# Altium PCB EL6905.PcbDoc (part 1 of 2) (continued)
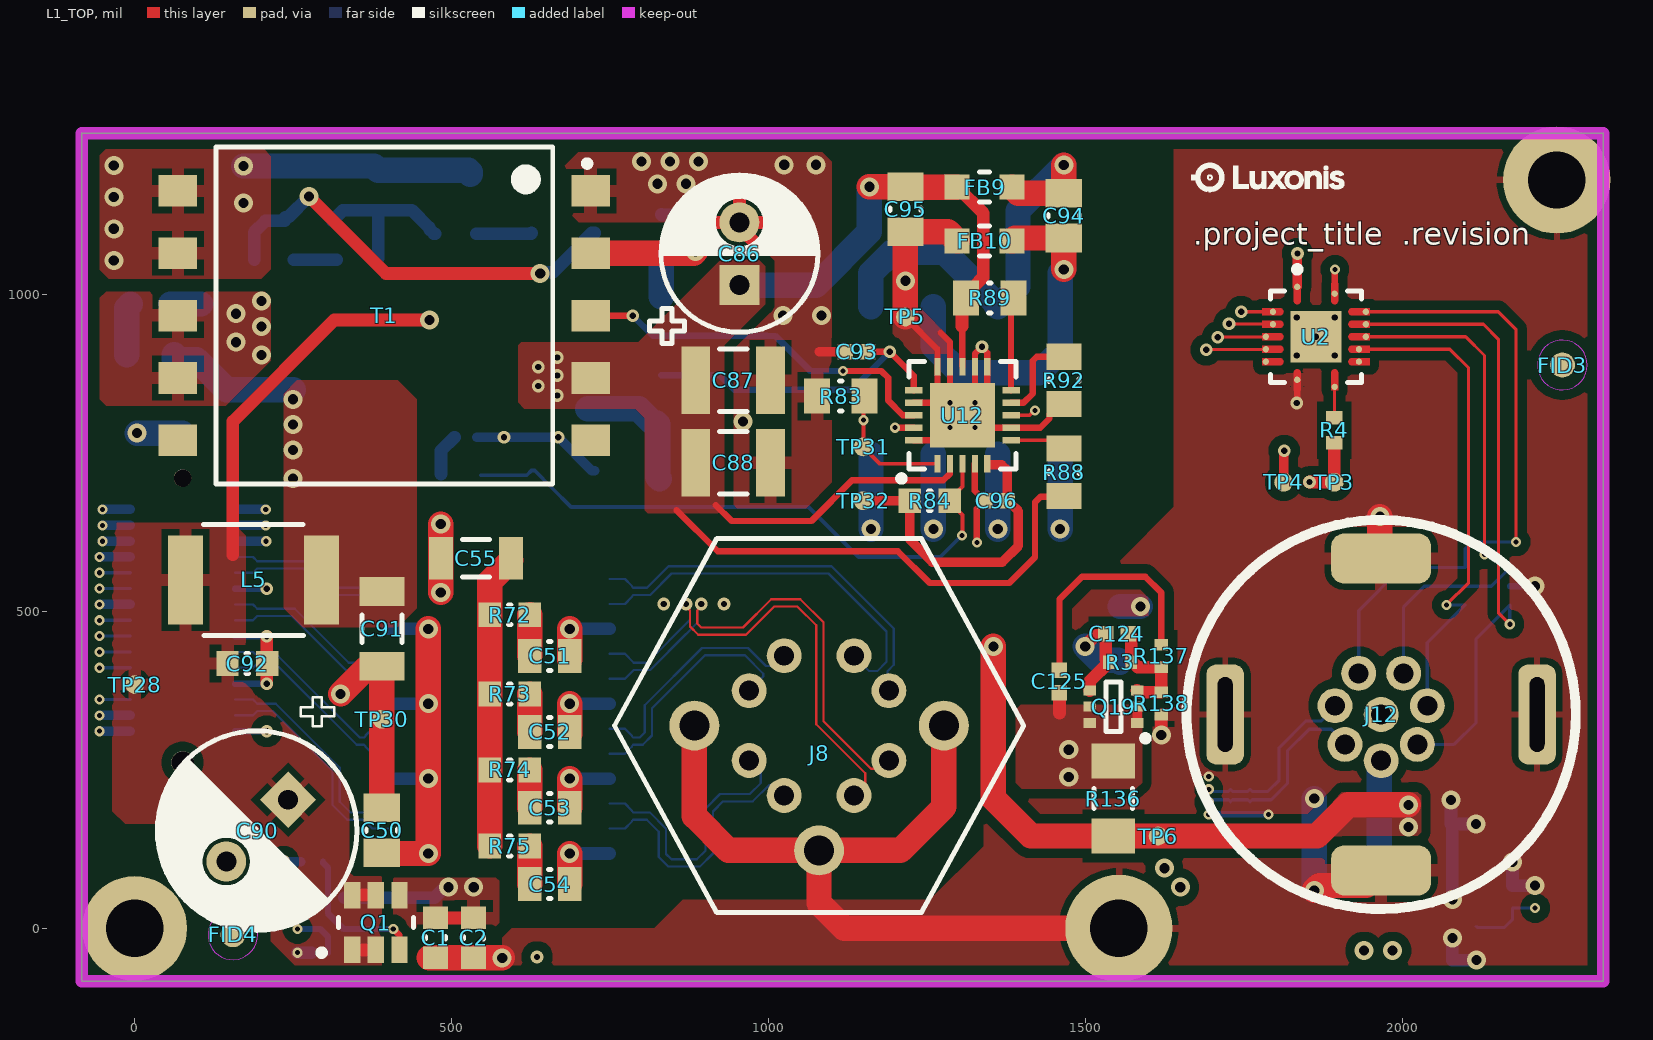
[diagram p0: L1_TOP view]
## Classes and differential pairs
net class PWR: 1V8 3V3 5V_PoE VBUS VBUSIN VDD_5V
pad class full: Q1-1 Q1-2 Q1-3 Q1-4 Q1-5 Q1-6 Q19-1 Q19-2 Q19-3 Q19-4 Q19-5 Q19-6
differential pair class 85ohm: USB_D
net class USB2: USB_D_N USB_D_P
component class U_M8_AUX_CONN: D1 D15 J12
component class U_BTB_CONN: J1 J? TP3 TP4
component class U_AUXILIARY: R4 U2
component class U_M12_ETH_CONN: C50 C51 C52 C53 C54 C55 D5 D6 J7 J8 R72 R73 R74 R75
component class U_POWER_CONTROL: C1 C2 C119 C120 C121 C124 C125 D20 Q1 Q19 Q? R1 R2 R3 R106 R136 R137 R138 TP1 TP2 TP6 U1 U23 U?
component class U_POE_SI3404: C84 C85 C86 C87 C88 C89 C90 C91 C92 C93 C94 C95 C96 C97 C98 C99 D9 D10 D11 FB9 FB10 L5 R80 R81 R82 R83 R84 R85 R86 R87 R88 R89 R90 R91 R92 T1 TP5 TP27 TP28 TP29 TP30 TP31 TP32 TP33 U12 U13 U14
polygon class PoE_Poly: VNEG_IN_L01_P432 VNEG_L01_P434 VNEG_L04_P456 VPOS_IN_L01_P431
polygon class DirectConnectPoly: 5V_POE_L06_P007 NETC1_2_L06_P019 NETC1_2_L06_P024 NETC91_2_L01_P002 NETC91_2_L06_P005 VBUS_L01_P017 VBUS_L06_P016 VBUSIN_L06_P020 VDD_5V_L06_P021 VNEG_L01_P014 VPOS_L01_P011 VSEC_L06_P006
net class PoE: CT1 CT2 NetC51_1 NetC52_1 NetC53_1 NetC54_1 SP1 SP2 SWO VNEG VNEG_IN VPOS VPOS_IN
component class TopLevel: FID1 FID2 FID3 FID4
differential pair class 100ohm: BRIDGE_REFCLK BRIDGE_REFCLK1 CLK MD1 MD1_1 MD2 MD2_1 MD3 MD3_1 MD4 MD4_1 MIPI_RX2_C MIPI_RX2_D0 MIPI_RX2_D1 MIPI_RX3_C MIPI_RX3_D0 MIPI_RX3_D1 MIPI_RX4_C MIPI_RX4_D0 MIPI_RX4_D1 MIPI_RX5_D0 MIPI_RX5_D1 SDS_CLK SDS_IO_CLKI SDS_IO_CLKI1 SDS_RXD SDS_RXD1 SDS_TXD TX1 TX2 TX3 TX4
net class ETH: MD1_N MD1_P MD2_N MD2_P MD3_N MD3_P MD4_N MD4_P
differential pair USB_D: +USB_D_P -USB_D_N
differential pair TX4: +TX4_P -TX4_N
differential pair TX3: +TX3_P -TX3_N
differential pair TX2: +TX2_P -TX2_N
differential pair TX1: +TX1_P -TX1_N
differential pair MD4: +MD4_P -MD4_N
differential pair MD3: +MD3_P -MD3_N
differential pair MD2: +MD2_P -MD2_N
differential pair MD1: +MD1_P -MD1_N

## Components (designator, comment, footprint, x,y, rotation, side; value= is the part's Value field where it differs from the comment)
C1 "GRM188R61A226ME15D" CAPC0603(1608)100_N 475,-15 r90 top value=22µF
C2 "GRM188R61A226ME15D" CAPC0603(1608)100_N 535,-15 r90 top value=22µF
C50 "CL21B104KCFNNNE" CAPC0805(2012)145_N 390,155 r270 top value=100nF
C51 "C0805C223M1RACAUTO" CAPC0805(2012)145_L 655,430 r0 top value=22nF
C52 "C0805C223M1RACAUTO" CAPC0805(2012)145_L 655,310 r0 top value=22nF
C53 "C0805C223M1RACAUTO" CAPC0805(2012)145_L 655,190.55 r0 top value=22nF
C54 "C0805C223M1RACAUTO" CAPC0805(2012)145_L 655,70 r0 top value=22nF
C55 "C1206C102KGRACTU" CAPC1206(3216)130_L 538.62,584 r0 top value=1nF
C84 "1nF 1206" CAPC1206(3216)190_N 526.21,899.84 r90 bottom
C85 "0.1UF 0805" CAPC0805(2012)145_N 860.78,789.84 r180 bottom
C86 "12uF 6.3mm" EEU-FC2A120 954.37,1064.84 r90 top
C87 "1uF 1210" CAPC1210(3225)280_N 944.37,864.84 r180 top
C88 "1uF 1210" CAPC1210(3225)280_N 944.37,734.84 r180 top
C89 "1nF 0603 C0G" CAPC0603(1608)100_N 25,985 r0 bottom
C90 "ECA-0JM102" ECA-0JM102 193.28,154.28 r225 top value=1mF
C91 "100uF 1206" CAPC1206(3216)190_N 390,472.64 r90 top
C92 "22NF 0603" CAPC0603(1608)100_N 178,418 r180 top
C93 "1uF 0402" CAPC0402(1005)70_N 1139.37,909.84 r0 top
C94 "0.1UF 0805" CAPC0805(2012)145_N 1466.21,1124.84 r90 top
C95 "0.1UF 0805" CAPC0805(2012)145_N 1216.21,1134.84 r90 top
C96 "0.1uF 0402" CAPC0402(1005)60_N 1359.37,674.84 r0 top
C97 "10nF 0402" CAPC0402(1005)60_N 522.28,775 r180 bottom
C98 "GRM1885C1H222JA01D" CAPC0603(1608)100_N 220,1055 r0 bottom value=2.2nF
C99 "1nF 1206" CAPC1206(3216)190_N 588.43,1189.84 r180 bottom
C119 "GRM155R61E105KA12D" CAPC0402(1005)70_N 2061.65,-50 r180 bottom value=1µF
C120 "C1210C107M8PACTU" FP-C1210C107M8PACTU-MFG 1912.64,129.84 r180 bottom value=100µF
C121 "0.1uF 0402" CAPC0402(1005)70_N 2059.37,164.84 r180 bottom
C124 "GRM155R61E105KA12D" CAPC0402(1005)70_N 1550,465 r180 top value=1µF
C125 "CL05B104KO5NFNC" CAPC0402(1005)60_N 1459.37,389.84 r270 top value=100nF
D1 "PESD5V0L4UG,115" PESD3V3L4UG,115 2135,540 r180 bottom
D5 "CD-HD01" CD-H01 1211.21,864.84 r180 bottom
D6 "CD-HD01" CD-H01 1411.21,864.84 r180 bottom
D9 "PDS1040" PDS1040-13 345,820 r90 bottom
D10 "RS1B" RS1B 1041.21,824.84 r90 bottom
D11 "1N4148W" 1N4148W-7-F 831.21,934.84 r90 bottom
D15 "TPD4EUSB30DQAR" TPD4EUSB30DQAR 1744.65,180 r270 bottom
D20 "SD05-01FTG" SD05-01FTG-Footprint-1 1555,508 r270 bottom
FB9 "700R/150Mhz" 742792040 1341.21,1169.84 r180 top
FB10 "700R/150Mhz" 742792040 1341.21,1084.84 r180 top
FID1 "FIDUCIAL_ROUND_1MM" FIDUCIAL_ROUND_1MM 2095,1190 r90 bottom
FID2 "FIDUCIAL_ROUND_1MM" FIDUCIAL_ROUND_1MM 144,-21 r90 bottom
FID3 "FIDUCIAL_ROUND_1MM" FIDUCIAL_ROUND_1MM 2253,889 r90 top
FID4 "FIDUCIAL_ROUND_1MM" FIDUCIAL_ROUND_1MM 155,-10 r90 top
J1 "55091-0374" CON_550910374 158.27,311.22 r90 bottom
J7 "749022310" 749022310 574.37,334.84 r270 bottom locked
J8 "12X-3103-08C" 12X-3103-08C 1080,320.02 r0 top
J12 "08-3203-08-xxx" 08-3203-08-XXX 1966.98,337.59 r180 top locked
L5 "1uH 2.9A" DO1608C-102MLx 187.52,550 r180 top
Q1 "IRLTS2242TRPBF" TSOP-6-MFG 380.6,9.31 r90 top
Q19 "NTJS4151PT1G" ONSC-SC70-6-419B-02_W_V 1544.37,349.84 r180 top
R1 "ERJ8GEY0R00V" RESC3116X70X50ML13T20 1754,-14 r0 bottom value=0
R2 "RC0402FR-07100KL" RESC0402(1005)_L 279.41,105.56 r180 bottom value=100k
R3 "RC0402FR-07100KL" RESC0402(1005)_L 1555,420 r180 top value=100k
R4 "RC0402FR-1310KL" RESC0402(1005)_N 1893,786 r270 top value=10k
R72 "ERJ-UP3F75R0V" RESC0603(1608)_N 592.01,495 r0 top value=75
R73 "ERJ-UP3F75R0V" RESC0603(1608)_N 592.01,370 r0 top value=75
R74 "ERJ-UP3F75R0V" RESC0603(1608)_N 592.01,250 r0 top value=75
R75 "ERJ-UP3F75R0V" RESC0603(1608)_N 592.01,130 r0 top value=75
R80 "18K 0603" RESC0603(1608)_N 859.71,709.84 r180 bottom
R81 "6.8R 0805" RESC0805(2012)_N 25,905 r0 bottom
R82 "10R 0603" RESC0603(1608)_N 831.21,1095 r90 bottom
R83 "0.62R 0805" RESC0805(2012)_N 1114.37,839.84 r180 top
R84 "4.99k 0603" RESC0603(1608)_N 1254.37,674.84 r180 top
R85 "2.05k 0603" RESC0603(1608)_N 539.37,1064.84 r270 bottom
R86 "0R 0603" RESC0603(1608)_N 515,715 r0 bottom
R87 "0R 0603" RESC0603(1608)_N 350,1055 r180 bottom
R88 "24.3k 0805" RESC0805(2012)_N 1466.21,719.84 r90 top
R89 "88.7K 0805" RESC0805(2012)_N 1349.37,994.84 r0 top
R90 "36.5k 0603" RESC0603(1608)_N 474.37,1064.84 r270 bottom
R91 "12.1k 0603" RESC0603(1608)_N 384.37,1164.84 r270 bottom
R92 "48.7R 0805" RESC0805(2012)_N 1466.21,864.84 r90 top
R106 "RC0402FR-07100KL" RESC0402(1005)_L 2174.37,49.84 r90 bottom value=100k
R136 "ERJ8GEY0R00V" RESC3116X70X50ML13T20 1544.37,204.84 r90 top value=0
R137 "CRCW0402470RFKED" RESC0402(1005)_L 1620,430 r90 top value=470
R138 "ERJ-2RKF1782X" RESC0402(1005)_L 1620,355 r90 top value=17.8k
T1 "749119950" 749119950 394,967 r270 top
TP1 "TP100_200_NS" TP075_150_NS 495,-30 r90 bottom
TP2 "TP100_200_NS" TP075_150_NS 1694.94,77 r90 bottom
TP3 "TP100_200_NS" TP075_150_NS 1893,704 r90 top
TP4 "TP100_200_NS" TP075_150_NS 1813,704 r90 top
TP5 "TP100_200_NS" TP075_150_NS 1216.21,964.84 r90 top
TP6 "TP100_200_NS" TP075_150_NS 1615,145.79 r90 top
TP27 "TP100_200_NS" TP075_150_NS 1044.37,1014.84 r180 bottom
TP28 "TP100_200_NS" TP075_150_NS 0,384.84 r180 top
TP29 "TP100_200_NS" TP075_150_NS 921.21,874.84 r180 bottom
TP30 "TP100_200_NS" TP075_150_NS 390,330 r180 top
TP31 "TP100_200_NS" TP075_150_NS 1149.37,759.84 r90 top
TP32 "TP100_200_NS" TP075_150_NS 1149.37,674.84 r90 top
TP33 "TP100_200_NS" TP075_150_NS 1044.37,1109.84 r180 bottom
U1 "LM66100DCKR" LM66100DCKR 305,5 r90 bottom
U2 "TXS0104ERGYR" FP-RGY0014A-MFG 1864.09,933.69 r0 top
U12 "SI3404-A-GM" Si3404-A-GM 1306.21,809.84 r90 top
U13 "VO618A-3X017T" VO618A-3X017T 676.21,909.84 r270 bottom
U14 "TLV431" TLV431BCDBZR 274.37,1159.84 r90 bottom
U23 "AP22814AW5-7" AP22814AW5-7-Footprint-1 2079.37,49.84 r270 bottom

## Footprints (in the part's own frame and the unit in brackets; to place one, negate y for a bottom-side part, rotate by r counter-clockwise, add the part's x,y. Pads: shape width x height; smd on the part's side, far side on the other; paste and mask are expansions set on the pad)
1N4148W-7-F [mm] "SOD123, 2-Leads, Body 2.7x1.55mm, Height 1.45mm"
  rect 0.9x0.95 smd: 1(-1.575,0) 2(1.575,0)
  silkscreen extent -2.4,-0.87 0,0.87, body extent -1.35,-0.77 1.35,0.77, height 1.45
08-3203-08-XXX [mm]
  round 1.4 hole 0.8 paste-10 mask+0.05: 1(-0.9,-1.65) 2(0.9,-1.65) 3(1.85,-0.35) 4(1.45,1.2) 5(0,1.85) 6(-1.45,1.2) 7(-1.85,-0.35) 8(0,0)
  rrect50% 4x2 smd paste-10 mask+0.05: 9(0,6.25) 11(0,-6.25)
  rrect50% 1.5x4 hole 0.6 slot 3 at 90 deg paste-10 mask+0.05: 10(6.25,0) 12(-6.25,0)
  silkscreen extent -7.8,-7.8 7.8,7.8, body extent -6.4,-6.4 6.4,6.4, height 15.53
12X-3103-08C [mm]
  round 1.4 hole 0.8 paste-10 mask+0.05: 1(-1.4,-2.8) 2(-2.8,-1.4) 3(-2.8,1.4) 4(-1.4,2.8) 5(1.4,2.8) 6(2.8,1.4) 7(2.8,-1.4) 8(1.4,-2.8)
  round 2 hole 1.2 paste-10 mask+0.05: 9(-5,0) 9(0,-5) 9(5,0)
  silkscreen extent -8.2,-7.5 8.2,7.5, body extent -8.25,-7.5 8.25,7.5, height 2.15
742792040 [mm] "Chip Inductor, 2-Leads, Body 2.0x1.2mm"
  rect 1x1 smd: 1(-1.1,0) 2(1.1,0)
  silkscreen extent -0.2,-0.6 0.2,0.6, body extent -1,-0.6 1,0.6, height 0.89
749022310 [mm] "SMT Transformer, body 16.5x10.3mm"
  rect 0.64x1.88 smd: 1(5.5,4.445) 2(4.5,4.445) 3(3.5,4.445) 4(2.5,4.445) 5(1.5,4.445) 6(0.5,4.445) 7(-0.5,4.445) 8(-1.5,4.445) 9(-2.5,4.445) 10(-3.5,4.445) 11(-4.5,4.445) 12(-5.5,4.445) 13(-5.5,-4.445) 14(-4.5,-4.445) 15(-3.5,-4.445) 16(-2.5,-4.445) 17(-1.5,-4.445) 18(-0.5,-4.445) 19(0.5,-4.445) 20(1.5,-4.445) 21(2.5,-4.445) 22(3.5,-4.445) 23(4.5,-4.445) 24(5.5,-4.445)
  silkscreen extent -8.37,-5.28 8.37,5.28, body extent -8.25,-5.15 8.25,5.15, height 4.1
749119950 [mm] "SMD, 10-Leads, Body 13.5x14.0mm (max), Pitch 2.48mm, IPC Medium Density"
  rect 1.27x1.55 smd: 1(-5,8.275) 2(-2.5,8.275) 3(0,8.275) 4(2.5,8.275) 5(5,8.275) 6(5,-8.275) 7(2.5,-8.275) 8(0,-8.275) 9(-2.5,-8.275) 10(-5,-8.275)
  silkscreen extent -6.75,-6.75 6.75,8.25, body extent -6.75,-8.88 6.75,8.87, height 12.6
AP22814AW5-7-Footprint-1 [mm]
  rrect14% 1.24x0.55 smd: 1(-1.185,0.95) 2(-1.185,0) 3(-1.185,-0.95) 4(1.185,-0.95) 5(1.185,0.95)
  silkscreen extent -1.6,-1.45 0.8,1.85, body extent -1.55,-1.48 1.64,1.42, height 0.94
CAPC0402(1005)60_N [mm] "Chip Capacitor, Body 1.0x0.5mm, Height 0.6mm, IPC Medium Density"
  rect 0.62x0.62 smd: 1(-0.45,0) 2(0.45,0)
  body extent -0.55,-0.3 0.55,0.3, height 0.6
CAPC0402(1005)70_N [mm] "Chip Capacitor, Body 1.0x0.5mm, Height 0.7mm, IPC Medium Density"
  rect 0.62x0.62 smd: 1(-0.45,0) 2(0.45,0)
  body extent -0.55,-0.3 0.55,0.3, height 0.7
CAPC0603(1608)100_N [mm] "Chip Capacitor, Body 1.6x0.8mm, Height 1.0mm, IPC Medium Density"
  rect 0.9x1 smd: 1(-0.8,0) 2(0.8,0)
  silkscreen extent -0.05,-0.4 0.05,0.4, body extent -0.87,-0.48 0.88,0.47, height 1
CAPC0805(2012)145_L [mm] "Chip Capacitor, Body 2.0x1.2mm, Height 1.45mm, IPC High Density"
  rect 0.95x1.35 smd: 1(-0.8,0) 2(0.8,0)
  silkscreen extent -0.05,-0.58 0.05,0.58, body extent -1.1,-0.72 1.1,0.72, height 1.45
CAPC0805(2012)145_N [mm] "Chip Capacitor, Body 2.0x1.2mm, Height 1.45mm, IPC Medium Density"
  rect 1.15x1.45 smd: 1(-0.9,0) 2(0.9,0)
  silkscreen extent -0.05,-0.62 0.05,0.63, body extent -1.1,-0.72 1.1,0.73, height 1.45
CAPC1206(3216)130_L [mm] "Chip Capacitor, Body 3.2x1.6mm, Height 1.3mm, IPC High Density"
  rect 0.95x1.7 smd: 1(-1.4,0) 2(1.4,0)
  silkscreen extent -0.55,-0.75 0.55,0.75, body extent -1.7,-0.9 1.7,0.9, height 1.3
CAPC1206(3216)190_N [mm] "Chip Capacitor, Body 3.2x1.6mm, Height 1.9mm, IPC Medium Density"
  rect 1.15x1.8 smd: 1(-1.5,0) 2(1.5,0)
  silkscreen extent -0.55,-0.8 0.55,0.8, body extent -1.7,-0.9 1.7,0.9, height 1.9
CAPC1210(3225)280_N [mm] "Chip Capacitor, Body 3.2x2.5mm, Height 2.8mm, IPC Medium Density"
  rect 1.15x2.7 smd: 1(-1.5,0) 2(1.5,0)
  silkscreen extent -0.55,-1.25 0.55,1.25, body extent -1.7,-1.4 1.7,1.4, height 2.8
CD-H01 [mm] "2 mm SMD Trimming Potentiometer  Specifications are subject to change without notice.  Users should verify actual device performance in their specific applications.  The products described herein and this document are subject to specific legal disclaimers as set forth on the last page of this document, and at www.bourns.com/docs/legal/disclaimer.pdf.  CD-HD0x Series Surface Mount Schottky Bridge Rectifier Diode"
  rect 1.2x1.2 smd: 1(1.25,2.95) 2(1.25,-2.95) 3(-1.25,-2.95) 4(-1.25,2.95)
  silkscreen extent -2.35,-3.08 2.43,3.53, body extent -2.37,-3.08 2.37,3.08, height 1.14
CON_550910374 [mm]
  rect 0.35x1.8 smd paste+0 mask+0.076: 1(0,0) 2(0.635,0) 3(1.27,0) 4(1.905,0) 5(2.54,0) 6(3.175,0) 7(3.81,0) 8(4.445,0) 9(5.08,0) 10(5.715,0) 11(6.35,0) 12(6.985,0) 13(7.62,0) 14(8.255,0) 15(8.89,0) 16(8.89,-4.2) 17(8.255,-4.2) 18(7.62,-4.2) 19(6.985,-4.2) 20(6.35,-4.2) 21(5.715,-4.2) 22(5.08,-4.2) 23(4.445,-4.2) 24(3.81,-4.2) 25(3.175,-4.2) 26(2.54,-4.2) 27(1.905,-4.2) 28(1.27,-4.2) 29(0.635,-4.2) 30(0,-4.2)
  round 0.9 hole 0.9 unplated mask+0.076: C1(-1.255,-2.1)
  round 0.7 hole 0.7 unplated mask+0.076: C2(10.145,-2.1)
  rect 2.5x2 smd paste+0 mask+0.076: P1(-3.055,-2.1) P2(11.945,-2.1)
  silkscreen extent -3.75,-4.7 12.64,0.5, body extent -3.75,-4.7 12.64,0.5, height 5.01
DO1608C-102MLx [mm] "Coil inductor 6.6x4.45mm"
  rect 1.4x3.56 smd: 1(-2.73,0) 2(2.73,0)
  silkscreen extent -2.01,-2.22 2.01,2.22, body extent -3.3,-2.22 3.3,2.23, height 2.92
ECA-0JM102 [mm] "Body diameter: 8mm, lead pitch: 3.5mm"
  rect 1.6x1.6 / inner round 1.6 / far side rect 1.6x1.6 hole 0.8 mask+0.05: 1(-1.75,0)
  round 1.6 hole 0.8 mask+0.05: 2(1.75,0)
  silkscreen extent -4,-4 4,4, body extent -4,-4 4,4, height 16
EEU-FC2A120 [mm] "Body diameter: 6.3mm, lead pitch: 2.5mm"
  rect 1.6x1.6 / inner round 1.6 / far side rect 1.6x1.6 hole 0.8 mask+0.05: 1(-1.25,0)
  round 1.6 hole 0.8 mask+0.05: 2(1.25,0)
  silkscreen extent -3.6,-3.15 3.15,3.6, body extent -3.15,-3.15 3.15,3.15, height 12
FIDUCIAL_ROUND_1MM [mm] "Round, 1mm dia"
  round 1 smd paste-1 mask+0.5: 1(0,0)
  L1_TOP keep-out circle w0.025: c0,0 r1
FP-C1210C107M8PACTU-MFG [mm]
  rect 1.2x2.7 smd paste+0 mask+0: 1(-1.3,0) 2(1.3,0)
  silkscreen extent -0.33,-1.4 0.33,1.4, body extent -1.6,-1.25 1.6,1.25, height 2.8
FP-RGY0014A-MFG [mm]
  round 0.252 smd paste-1000 mask+0: 1(-0.75,2) 2(-1.725,1) 3(-1.725,0.5) 4(-2.01,0) 5(-2.01,-0.5) 6(-2.01,-1) 7(-0.75,-1.725) 8(0.75,-2.01) 9(1.725,-1) 10(1.725,-0.5) 11(2,0) 12(2,0.5) 13(2,1) 14(0.75,1.725)
  rect 2.05x2.05 smd paste-1000 mask+0: 15(0,0)
  L1_TOP region: -0.61,2.15 -0.61,1.44 -0.621,1.386 -0.651,1.341 -0.696,1.311 -0.75,1.3 -0.75,1.3 -0.804,1.311 -0.849,1.341 -0.879,1.386 -0.89,1.44 -0.89,1.44 -0.89,2.15
  L1_TOP region: 0.89,2.15 0.89,1.44 0.879,1.386 0.849,1.341 0.804,1.311 0.75,1.3 0.75,1.3 0.696,1.311 0.651,1.341 0.621,1.386 0.61,1.44 0.61,1.44 0.61,2.15
  L1_TOP region: -0.89,-2.15 -0.89,-1.44 -0.879,-1.386 -0.849,-1.341 -0.804,-1.311 -0.75,-1.3 -0.75,-1.3 -0.696,-1.311 -0.651,-1.341 -0.621,-1.386 -0.61,-1.44 -0.61,-1.44 -0.61,-2.15
  L1_TOP region: 0.61,-2.15 0.61,-1.44 0.621,-1.386 0.651,-1.341 0.696,-1.311 0.75,-1.3 0.75,-1.3 0.804,-1.311 0.849,-1.341 0.879,-1.386 0.89,-1.44 0.89,-1.44 0.89,-2.15
  L1_TOP region: -2.15,1.14 -1.44,1.14 -1.386,1.129 -1.341,1.099 -1.311,1.054 -1.3,1 -1.3,1 -1.311,0.946 -1.341,0.901 -1.386,0.871 -1.44,0.86 -1.44,0.86 -2.15,0.86
  L1_TOP region: -2.15,0.64 -1.44,0.64 -1.386,0.629 -1.341,0.599 -1.311,0.554 -1.3,0.5 -1.3,0.5 -1.311,0.446 -1.341,0.401 -1.386,0.371 -1.44,0.36 -1.44,0.36 -2.15,0.36
  L1_TOP region: -2.15,0.14 -1.44,0.14 -1.386,0.129 -1.341,0.099 -1.311,0.054 -1.3,0 -1.3,0 -1.311,-0.054 -1.341,-0.099 -1.386,-0.129 -1.44,-0.14 -1.44,-0.14 -2.15,-0.14
  L1_TOP region: -2.15,-0.36 -1.44,-0.36 -1.386,-0.371 -1.341,-0.401 -1.311,-0.446 -1.3,-0.5 -1.3,-0.5 -1.311,-0.554 -1.341,-0.599 -1.386,-0.629 -1.44,-0.64 -1.44,-0.64 -2.15,-0.64
  L1_TOP region: -2.15,-0.86 -1.44,-0.86 -1.386,-0.871 -1.341,-0.901 -1.311,-0.946 -1.3,-1 -1.3,-1 -1.311,-1.054 -1.341,-1.099 -1.386,-1.129 -1.44,-1.14 -1.44,-1.14 -2.15,-1.14
  L1_TOP region: 2.15,-1.14 1.44,-1.14 1.386,-1.129 1.341,-1.099 1.311,-1.054 1.3,-1 1.3,-1 1.311,-0.946 1.341,-0.901 1.386,-0.871 1.44,-0.86 1.44,-0.86 2.15,-0.86
  L1_TOP region: 2.15,-0.64 1.44,-0.64 1.386,-0.629 1.341,-0.599 1.311,-0.554 1.3,-0.5 1.3,-0.5 1.311,-0.446 1.341,-0.401 1.386,-0.371 1.44,-0.36 1.44,-0.36 2.15,-0.36
  L1_TOP region: 2.15,-0.14 1.44,-0.14 1.386,-0.129 1.341,-0.099 1.311,-0.054 1.3,0 1.3,0 1.311,0.054 1.341,0.099 1.386,0.129 1.44,0.14 1.44,0.14 2.15,0.14
  L1_TOP region: 2.15,0.36 1.44,0.36 1.386,0.371 1.341,0.401 1.311,0.446 1.3,0.5 1.3,0.5 1.311,0.554 1.341,0.599 1.386,0.629 1.44,0.64 1.44,0.64 2.15,0.64
  L1_TOP region: 2.15,0.86 1.44,0.86 1.386,0.871 1.341,0.901 1.311,0.946 1.3,1 1.3,1 1.311,1.054 1.341,1.099 1.386,1.129 1.44,1.14 1.44,1.14 2.15,1.14
  silkscreen extent -1.83,-1.83 1.83,2.82, body extent -2.25,-2.25 2.25,2.25, height 0.25
LM66100DCKR [mm] "SOT23, 6-Leads, Body 2.00x2.10mm, Pitch 0.65mm, IPC Medium Density"
  rect 0.85x0.35 smd: 1(-1.1,0.65) 2(-1.1,0) 3(-1.1,-0.65) 4(1.1,-0.65) 5(1.1,0) 6(1.1,0.65)
  silkscreen extent -1.22,-1.1 0.3,1.5, body extent -1.2,-1.07 1.2,1.07, height 1.1
ONSC-SC70-6-419B-02_W_V [mm] "SOT23, 6-Leads, Body 2x1.25mm, Pitch 0.65mm"
  rect 0.5x0.4 smd: 1(-0.95,0.65) 2(-0.95,0) 3(-0.95,-0.65) 4(0.95,-0.65) 5(0.95,0) 6(0.95,0.65)
  silkscreen extent -1.41,-1 0.3,1.39, body extent -1.05,-1 1.05,1, height 1.08
PDS1040-13 [mm] "Powerdi5 Diodes"
  rect 4.86x3.36 smd: 1(-1.126,0)
  rect 1.4x1.39 smd: 2(2.856,-0.92) 2(2.856,0.92)
  silkscreen extent -3.9,-1.68 -3.9,1.68, body extent -3.25,-1.98 3.25,1.99, height 1.12
PESD3V3L4UG,115 [mm] "5-TSSOP, SC-88, SOT-363"
  rect 0.6x0.6 smd mask+0.076: 1(-0.9,0.75) 3(-0.9,-0.75) 4(0.9,-0.75) 5(0.9,0.75)
  rect 0.6x0.4 smd mask+0.076: 2(-0.9,0)
  silkscreen extent -1.03,-1.08 0.25,1.57, body extent -1.1,-0.99 1.1,0.99, height 0.99
RESC0402(1005)_L [mm] "Chip Resistor, Body 1.0x0.5mm, IPC High Density"
  rect 0.45x0.55 smd: 1(-0.45,0) 2(0.45,0)
  body extent -0.52,-0.27 0.53,0.28, height 0.4
RESC0402(1005)_N [mm] "Chip Resistor, Body 1.0x0.5mm, IPC Medium Density"
  rect 0.55x0.65 smd: 1(-0.5,0) 2(0.5,0)
  body extent -0.52,-0.27 0.53,0.28, height 0.4
RESC0603(1608)_N [mm] "Chip Resistor, Body 1.6x0.8mm, IPC Medium Density"
  rect 0.9x1 smd: 1(-0.8,0) 2(0.8,0)
  silkscreen extent -0.05,-0.4 0.05,0.4, body extent -0.85,-0.47 0.85,0.47, height 0.6
RESC0805(2012)_N [mm] "Chip Resistor, Body 2.0x1.3mm, IPC Medium Density"
  rect 1.05x1.4 smd: 1(-0.95,0) 2(0.95,0)
  silkscreen extent -0.05,-0.6 0.05,0.6, body extent -1.1,-0.67 1.1,0.68, height 0.7
RESC3116X70X50ML13T20 [mm] "Chip Resistor, 2-Leads, Body 3.25x1.65mm, IPC Low Density"
  rect 1.4x1.75 smd: 1(-1.5,0) 2(1.5,0)
  silkscreen extent -0.4,-0.77 0.4,0.77, body extent -1.63,-0.82 1.63,0.82, height 0.7
RS1B [mil] "Molded Diode, 2-Leads, Body 4.30x2.59mm, IPC Medium Density"
  rect 70x85 smd: 1(-80,0) 2(80,0)
  silkscreen extent -130,-59 91,59, body extent -102,-54 102,54, height 106
SD05-01FTG-Footprint-1 [mil]
  rect 46x16 smd paste+0 mask+0: 1(0,0) 2(88,0)
  silkscreen extent 1,-34 86,34, body extent -9,-29 97,29, height 45
Si3404-A-GM [mm] "QFN, 20-Leads, Body 4.00x4.00mm, Pitch 0.50mm, Thermal Pad 2.60x2.60mm, IPC Medium Density"
  rect 0.7x0.25 smd: 1(-1.95,1) 2(-1.95,0.5) 3(-1.95,0) 4(-1.95,-0.5) 5(-1.95,-1) 11(1.95,-1) 12(1.95,-0.5) 13(1.95,0) 14(1.95,0.5) 15(1.95,1)
  rect 0.25x0.7 smd: 6(-1,-1.95) 7(-0.5,-1.95) 8(0,-1.95) 9(0.5,-1.95) 10(1,-1.95) 16(1,1.95) 17(0.5,1.95) 18(0,1.95) 19(-0.5,1.95) 20(-1,1.95)
  rect 2.6x2.6 smd paste-5: 21(0,0)
  silkscreen extent -2.66,-2.15 2.15,2.57, body extent -2,-2 2,2, height 0.9
TLV431BCDBZR [mm] "SOT-23-3"
  rrect18% 0.8x0.55 smd: 1(-1.1,0.95) 2(-1.1,-0.95) 3(1.1,0)
  silkscreen extent -1.22,-1.46 0.7,1.9, body extent -1.26,-1.46 1.26,1.46, height 0.96
TP075_150_NS [mm] "0.75mm dia pad, 1.5mm dia clearance, no silk screen"
  round 0.75 smd paste-2: 1(0,0)
TPD4EUSB30DQAR [mm] "TPD4EUSB30DQAR"
  rect 0.3x0.55 smd mask+0.05: 1(-1,-0.39) 2(-0.5,-0.39) 4(0.5,-0.39) 5(1,-0.39) 6(1,0.39) 7(0.5,0.39) 9(-0.5,0.39) 10(-1,0.39)
  rect 0.4x0.55 smd mask+0.05: 3(0,-0.39) 8(0,0.39)
  silkscreen extent -1.4,-1.01 1.4,0.5, body extent -1.2,-0.71 1.2,0.71, height 0.55
TSOP-6-MFG [mm]
  rect 1.06x0.65 smd: 1(-1.1,0.95) 2(-1.1,0) 3(-1.1,-0.95) 4(1.1,-0.95) 5(1.1,0) 6(1.1,0.95)
  silkscreen extent -1.33,-1.5 0.2,2.3, body extent -1.4,-1.45 1.4,1.45, height 1.45
VO618A-3X017T [mm] "4-SMD, Gull Wing"
  rect 1.52x1.78 smd: 1(-4.76,1.27) 2(-4.76,-1.27) 3(4.76,-1.27) 4(4.76,1.27)
  silkscreen extent -5.9,-2.29 2.8,2.7, body extent -5.08,-2.29 5.08,2.29, height 3.75

## Part data
C1 C2: library part CMP-108-000020-4, "CAP CER 22UF 10V X5R 0603 20%", Case/Package=0603, Dielectric=X5R, Manufacturer 1=Murata, Max Operating Temperature=85°C, Min Operating Temperature=-55°C, Tolerance=20%, Voltage Rating=10V, ComponentLink1Description=https://datasheet.ciiva.com/46444/1769893-46444975.pdf?src-supplier=Element14, ComponentLink1URL=https://datasheet.ciiva.com/46444/1769893-46444975.pdf?src-supplier=Element14, Depth=0.8mm, Design Item ID=GRM188R61A226ME15D, Height=0.8mm, Length=1.6mm, Manufacturer Part Number 1=GRM188R61A226ME15D, Mounting Technology=SMT, Width=0.8mm
C50: library part CMP-108-000003-5, "CAP CER 0.1UF 100V X7R 0805 10%", Case/Package=0805, Dielectric=X7R, Manufacturer 1=Samsung, Max Operating Temperature=125°C, Min Operating Temperature=-55°C, Tolerance=10%, Voltage Rating=100V, ComponentLink1Description=https://datasheet.ciiva.com/26936/getdatasheetpartid-781823-26936904.pdf?src-supplier=Verical, ComponentLink1URL=https://datasheet.ciiva.com/26936/getdatasheetpartid-781823-26936904.pdf?src-supplier=Verical, Depth=1.25mm, Design Item ID=CL21B104KCFNNNE, Length=2mm, Manufacturer Part Number 1=CL21B104KCFNNNE, Mounting Technology=SMT, Width=0.049inch
C51 C52 C53 C54: library part CMP-004-000002-5, "CAP CER 22nF 100V X7R 0805 20%", Capacitor Type=Ceramic, Case/Package=0805, Dielectric=X7R, Manufacturer 1=KEMET, Max Operating Temperature=125°C, Min Operating Temperature=-55°C, Tolerance=20%, Voltage Rating=100V, ComponentLink1Description=https://datasheet.ciiva.com:443/pdfs/VipMasterIC/IC/KEME/KEME-S-A0009891634/KEME-S-A0009891634-1.pdf?src-supplier=IHS+Markit, ComponentLink1URL=https://datasheet.ciiva.com:443/pdfs/VipMasterIC/IC/KEME/KEME-S-A0009891634/KEME-S-A0009891634-1.pdf?src-supplier=IHS+Markit, ComponentLink2Description=http://components.arrow.com/part/dataview/0323_00327945?src-supplier=Arrow+Europe, ComponentLink2URL=http://components.arrow.com/part/dataview/0323_00327945?src-supplier=Arrow+Europe, ComponentLink3Description=http://capacitoredge.kemet.com/capedge2/DataSheet/Datasheet-C0805C223M1RACAUTO.pdf?pn=C0805C223M1RACAUTO&src-supplier=Avnet, ComponentLink3URL=http://capacitoredge.kemet.com/capedge2/DataSheet/Datasheet-C0805C223M1RACAUTO.pdf?pn=C0805C223M1RACAUTO&src-supplier=Avnet, ComponentLink4Description=http://www.kemet.com/docfinder?Partnumber=C0805C223M1RACAUTO&src-supplier=Digi-Key, ComponentLink4URL=http://www.kemet.com/docfinder?Partnumber=C0805C223M1RACAUTO&src-supplier=Digi-Key, ComponentLink5Description=https://api.kemet.com/component-edge/download/datasheet/C0805C223M1RACAUTO.pdf?src-supplier=Digi-Key, ComponentLink5URL=https://api.kemet.com/component-edge/download/datasheet/C0805C223M1RACAUTO.pdf?src-supplier=Digi-Key, Design Item ID=C0805C223M1RACAUTO, Height=0.9mm, Length=2mm, Manufacturer Part Number 1=C0805C223M1RACAUTO, Mounting Technology=SMT, Width=1.25mm
C55: library part CMP-004-000001-5, "CAP CER 1nF 2000V X7R 1206 10%", Capacitor Type=Ceramic, Case/Package=1206, Dielectric=X7R, Manufacturer 1=KEMET, Max Operating Temperature=125°C, Min Operating Temperature=-55°C, Tolerance=10%, Voltage Rating=100V, ComponentLink1Description=https://datasheet.ciiva.com:443/pdfs/VipMasterIC/IC/KEME/KEME-S-A0007617657/KEME-S-A0007567533-1.pdf?src-supplier=IHS+Markit, ComponentLink1URL=https://datasheet.ciiva.com:443/pdfs/VipMasterIC/IC/KEME/KEME-S-A0007617657/KEME-S-A0007567533-1.pdf?src-supplier=IHS+Markit, ComponentLink2Description=https://datasheet.ciiva.com/18194/getdatasheetpartid-359031-18194095.pdf?src-supplier=Verical, ComponentLink2URL=https://datasheet.ciiva.com/18194/getdatasheetpartid-359031-18194095.pdf?src-supplier=Verical, ComponentLink3Description=https://datasheet.ciiva.com/28610/1372242-28610895.pdf?src-supplier=Element14, ComponentLink3URL=https://datasheet.ciiva.com/28610/1372242-28610895.pdf?src-supplier=Element14, ComponentLink4Description=https://datasheet.ciiva.com/28672/1807957-28672854.pdf?src-supplier=Element14, ComponentLink4URL=https://datasheet.ciiva.com/28672/1807957-28672854.pdf?src-supplier=Element14, Design Item ID=C1206C102KGRACTU, Height=1.6mm, Length=3.2mm, Manufacturer Part Number 1=C1206C102KGRACTU, Mounting Technology=SMT, Width=1.6mm
C84 C99: library part C1206C102KGRACTU, "CAP CER 1000PF 2KV X7R 1206", Capacitance=1nF, Case/Package=1206, Dielectric=X7R, Dielectric Material=Ceramic, Manufacturer 1=KEMET, Max Operating Temperature=125°C, Min Operating Temperature=-55°C, Supplier Part Number 1=399-4819-1-ND, Tolerance=10%, Voltage Rating (DC)=2kV, ComponentLink1Description=https://datasheet.ciiva.com/18194/getdatasheetpartid-359031-18194095.pdf?src-supplier=Verical, ComponentLink1URL=https://datasheet.ciiva.com/18194/getdatasheetpartid-359031-18194095.pdf?src-supplier=Verical, ComponentLink2Description=https://datasheet.ciiva.com/28610/1372242-28610895.pdf?src-supplier=Element14, ComponentLink2URL=https://datasheet.ciiva.com/28610/1372242-28610895.pdf?src-supplier=Element14, ComponentLink3Description=https://datasheet.ciiva.com/28672/1807957-28672854.pdf?src-supplier=Element14, ComponentLink3URL=https://datasheet.ciiva.com/28672/1807957-28672854.pdf?src-supplier=Element14, Depth=1.6mm, Height=1.6mm, Length=3.2mm, Manufacturer Part Number 1=C1206C102KGRACTU, Mount="Surface Mount", Packaging="Tape and Reel", Pricing 1="1=0.26000, 10=0.17500, 100=0.09940, 500=0.07014, 1000=0.06138 (USD)", Radiation Hardening=No, RoHS=Yes, Stock 1=54320, Supplier 1=Digi-Key, Supplier 2=Newark, Supplier 3=Newark, Supplier Part Number 2=01N5611, Supplier Part Number 3=68K2517
C85 C94 C95: library part CL21B104KCFNNNE, "CAP CER 0.1UF 100V X7R 0805", Capacitance=100nF, Case Code (Imperial)=0805, Case Code (Metric)=2012, Dielectric=X7R, Manufacturer 1=Samsung, Max Operating Temperature=125°C, Min Operating Temperature=-55°C, Supplier Part Number 1=1276-6840-1-ND, Tolerance=10%, Voltage Rating=100V, Case/Package=0805, ComponentLink1Description=https://datasheet.ciiva.com/26936/getdatasheetpartid-781823-26936904.pdf?src-supplier=Verical, ComponentLink1URL=https://datasheet.ciiva.com/26936/getdatasheetpartid-781823-26936904.pdf?src-supplier=Verical, Depth=1.25mm, Length=2mm, Manufacturer Part Number 1=CL21B104KCFNNNE, Mount="Surface Mount", Packaging="Tape and Reel", Pricing 1="1=0.10000, 10=0.06800, 100=0.03050, 500=0.02180, 1000=0.01712 (USD)", Radiation Hardening=No, RoHS=Yes, Stock 1=93036, Supplier 1=Digi-Key, Supplier 2=Newark, Supplier 3="Future Electronics", Supplier Part Number 2=82AC9430, Supplier Part Number 3=CL21B104KCFNNNE-CUTT, Thickness=0.053inch, Width=0.049inch
C86: library part EEU-FC2A120, "CAP ALUM 12UF 20% 100V RADIAL", Capacitance=12uF, Case/Package=Radial, ESR (Equivalent Series Resistance)=1.8R, Leakage Current=3uA, Manufacturer 1=Panasonic, Max Operating Temperature=105°C, Min Operating Temperature=-55°C, Package Quantity=200, Ripple Current=114mA, Supplier Part Number 1=P19496-ND, Tolerance=20%, Voltage=100V, ComponentLink1Description=https://datasheet.ciiva.com/11781/0900766b80becf93-11781011.pdf?src-supplier=RSComponents, ComponentLink1URL=https://datasheet.ciiva.com/11781/0900766b80becf93-11781011.pdf?src-supplier=RSComponents, ComponentLink2Description=https://datasheet.ciiva.com/2984/aba0000ce22-2984054.pdf?src-supplier=Avnet, ComponentLink2URL=https://datasheet.ciiva.com/2984/aba0000ce22-2984054.pdf?src-supplier=Avnet, ComponentLink3Description=https://datasheet.ciiva.com/17535/aba0000ce22-17535638.pdf?src-supplier=Avnet+Europe, ComponentLink3URL=https://datasheet.ciiva.com/17535/aba0000ce22-17535638.pdf?src-supplier=Avnet+Europe, ComponentLink4Description=https://datasheet.ciiva.com/48518/eeufc-eng-tds-48518663.pdf?src-supplier=Distrelec, ComponentLink4URL=https://datasheet.ciiva.com/48518/eeufc-eng-tds-48518663.pdf?src-supplier=Distrelec, ComponentLink5Description=https://datasheet.ciiva.com/24023/a-e-461514-24023994.pdf?src-supplier=Mouser, ComponentLink5URL=https://datasheet.ciiva.com/24023/a-e-461514-24023994.pdf?src-supplier=Mouser, Contact Plating=Tin, Diameter=6.3mm, Dissipation Factor=0.07%, Height=11.2mm, Height - Seated (Max)=0.48inch, Impedance=1.8R, Lead Diameter=0.5mm, Lead Pitch=2.5mm, Lead/Base Style=Straight, Length=11mm, Life (Hours)=1000Hour, Manufacturer Part Number 1=EEU-FC2A120, Mount="Through Hole", Packaging=Bulk, Polarity=Polar, Pricing 1="1=0.35000, 10=0.24500, 100=0.14670, 500=0.11002, 1000=0.09291, 2500=0.08802, 5000=0.08313 (USD)", Radiation Hardening=No, RoHS=Yes, Stock 1=297, Supplier 1=Digi-Key, Supplier 2=Newark, Supplier 3=Mouser, Supplier Part Number 2=47AC4895, Supplier Part Number 3=667-EEU-FC2A120, Termination=Radial, Voltage Rating=100V, Voltage Rating (DC)=100V